# KiCad board lumberjack.kicad_pcb (continued)
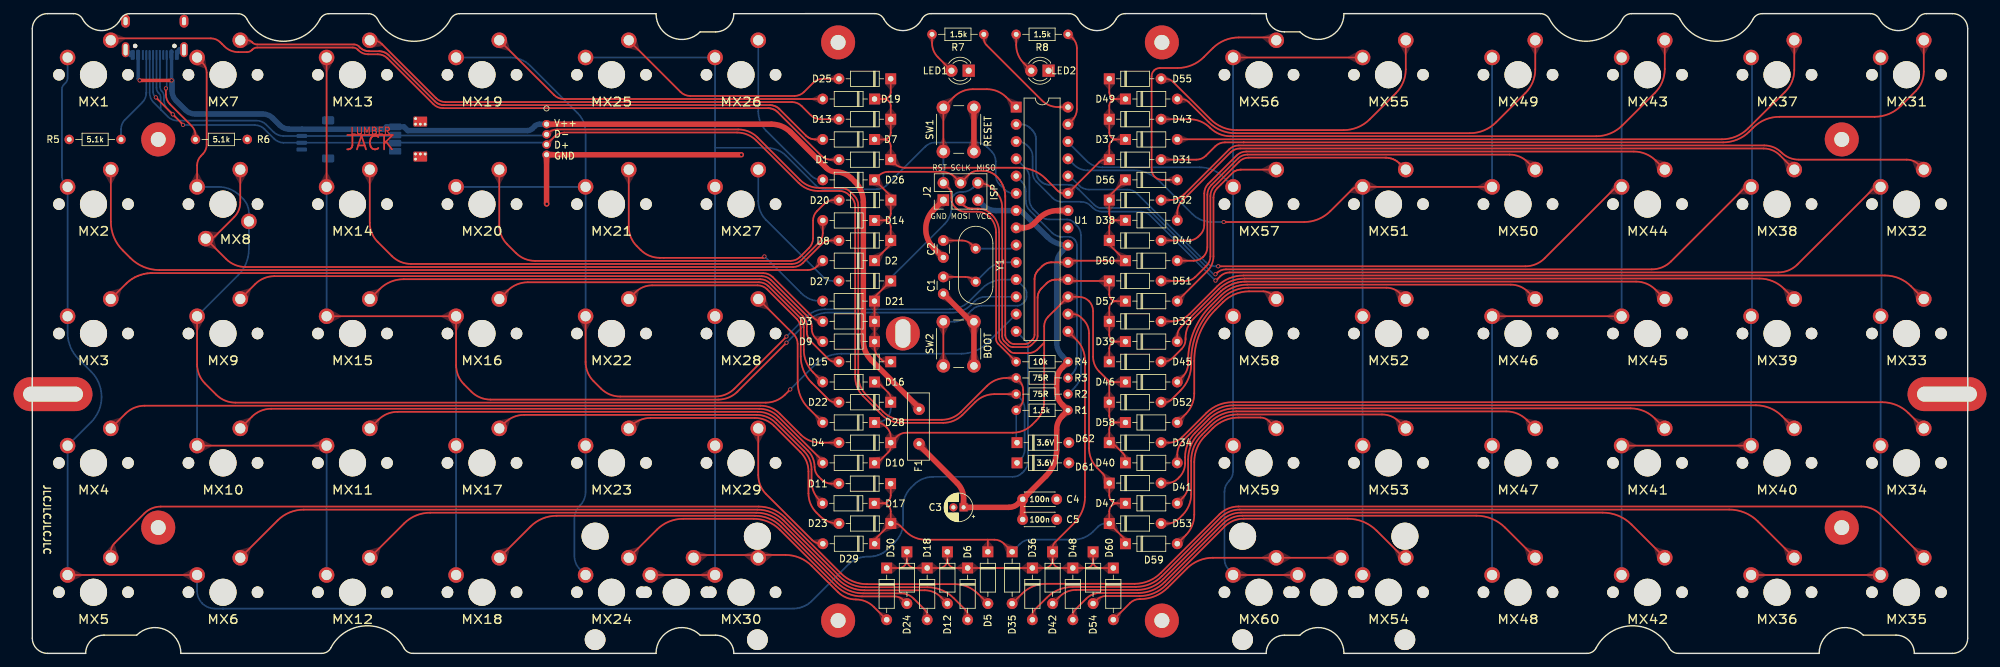
[diagram p0: board, top side]
## Routing (per net, layer and track width the routed paths; a pad name or vN(x,y) marks a point on that pad's centre or on a via; arc(x,y) is an arc through that point) (continued)
  Bottom w0.25: 100.44,74.44 MX27.2 MX28.2 100.44,31.14 ; 100.44,74.44 MX26.2 MX25.2 ; 100.44,74.44 108.05,74.44 arc(109.58,74.14) 110.88,73.27 115.22,68.93 arc(115.87,68.5) 116.64,68.35 124.25,68.35 arc(125.01,68.5) 125.66,68.93 131.37,74.63 arc(132.01,75.07) 132.78,75.22 138.97,75.22 arc(139.73,75.07) 140.38,74.63 141.13,73.89 arc(141.56,73.24) 141.71,72.47 141.71,70.45 arc(141.87,69.68) 142.3,69.03 143,68.33 arc(143.65,67.9) 144.42,67.74 U1.6 ; MX30.2 MX29.2
/COL5: length 236.7
  Top w0.25: MX32.2 271.08,68.7 259.66,57.27 arc(258.36,56.4) 256.83,56.1 176.15,56.1 arc(175.38,55.95) 174.73,55.51 174.12,54.9 v1(174.05,54.9) ; MX35.2 MX36.2
  Bottom w0.25: MX33.2 MX34.2 MX35.2 ; 271.89,69.5 MX31.2 ; v1(174.05,54.9) 164.49,64.46 arc(163.84,64.9) 163.07,65.05 157.39,65.05 arc(156.63,65.2) 155.98,65.64 155.7,65.91 arc(155.05,66.35) 154.29,66.5 151.48,66.5 arc(150.71,66.65) 150.06,67.09 147.74,69.41 arc(147.3,70.06) 147.15,70.83 147.15,73.17 arc(147,73.94) 146.56,74.59 146.37,74.78 arc(145.72,75.21) 144.96,75.36 ; 272.03,49.88 272.03,68.56
/COL6: length 220.1
  Top w0.25: MX38.2 252.03,68.7 241.06,57.72 arc(239.76,56.85) 238.23,56.55 175.59,56.55 arc(174.83,56.4) 174.18,55.96 v1(174.04,55.83) ; MX40.2 MX41.2
  Bottom w0.25: MX41.2 MX42.2 ; MX39.2 MX40.2 ; 252.98,68.93 252.98,87.61 ; 252.98,49.88 252.98,68.56 ; U1.2 145.42,77.9 145.55,77.9 145.81,77.87 146.06,77.8 146.3,77.7 146.53,77.57 146.74,77.41 146.83,77.32 147.06,77.09 147.16,76.99 147.31,76.78 147.45,76.56 147.55,76.32 147.61,76.06 147.65,75.8 147.65,75.67 147.65,71.03 147.65,70.9 147.69,70.64 147.75,70.38 147.85,70.14 147.99,69.92 148.14,69.71 148.24,69.61 148.26,69.59 148.36,69.49 148.57,69.34 148.79,69.2 149.03,69.1 149.29,69.04 149.55,69 149.68,69 152.42,69 152.55,69 152.81,68.96 153.07,68.9 153.31,68.8 153.53,68.66 153.67,68.56 153.67,68.55 153.8,68.45 153.91,68.34 153.91,68.34 153.92,68.33 156.16,66.09 156.26,65.99 156.47,65.84 156.69,65.7 156.93,65.6 163.98,65.6 173.76,55.83 v1(174.04,55.83)
/COL7: length 185.5
  Top w0.25: MX45.2 MX46.2 ; MX44.2 232.98,68.7 222.46,58.17 arc(221.16,57.3) 219.63,57 v1(174.45,57)
  Bottom w0.25: 152.6,70.28 154,68.89 arc(154.65,68.45) 155.41,68.3 161.09,68.3 arc(161.86,68.15) 162.51,67.71 172.64,57.59 arc(173.29,57.15) 174.05,57 v1(174.45,57) ; MX48.2 MX47.2 MX46.2 ; MX44.2 MX45.2 ; 233.79,69.5 MX43.2
/COL8: length 143.8
  Top w0.25: MX50.2 MX51.2 195.1,68.7 arc(194.56,68.59) 194.1,68.28 190.93,65.11 arc(189.17,63.94) 187.09,63.52 v1(175.25,63.52)
  Bottom w0.25: MX49.2 MX50.2 ; MX54.2 MX53.2 MX52.2 MX51.2 ; v1(175.25,63.52) 173.49,63.52 arc(171.96,63.83) 170.66,64.69 165.81,69.54 arc(164.05,70.72) 161.97,71.13 155.24,71.13 arc(154.14,71.35) 153.2,71.98 U1.25
/COL9: length 131.1
  Top w0.25: MX56.2 MX55.2 ; 176.72,11.55 2u_MX60.2
  Bottom w0.25: 152.35,75.27 155.07,72.55 arc(156.14,71.83) 157.41,71.58 171.72,71.58 arc(173.6,71.2) 175.2,70.14 MX57.2 ; MX56.2 MX57.2 ; MX57.2 MX58.2 MX59.2 176.64,26.86 arc(176.48,26.03) 176.01,25.33 arc(175.54,24.63) 175.37,23.8 175.37,13.86 arc(175.54,13.03) 176.01,12.33
/LED1: length 17.3
  Top w0.25: R7.1 139.97,90.56 arc(140.08,90.01) 140.39,89.55 148.48,81.45 arc(149.6,80.71) 150.92,80.44 U1.28
/LED2: length 14.1
  Top w0.25: U1.27 153.01,78.56 arc(153.49,79.28) 153.66,80.14 153.66,89.13 arc(153.51,89.9) 153.07,90.56 152.47,91.16
/RESET: length 56.1
  Top w0.25: J2.2 134.92,68.39 134.98,68.33 135.08,68.17 135.15,68 135.19,67.82 135.19,67.73 135.19,67.06 arc(135.34,66.3) 135.78,65.65 135.8,65.63 arc(136.44,65.2) 137.21,65.05 138.99,65.05 arc(139.98,64.85) 140.82,64.29 arc(141.52,63.23) 141.77,61.98 141.77,46.31 arc(141.85,45.93) 142.07,45.6 R4.2 ; U1.1 143.27,81.91 arc(141.97,82.77) 140.44,83.08 138.36,83.08 arc(136.83,82.77) 135.53,81.91 SW1.1 SW1.1
  Bottom w0.25: SW1.1 J2.2
/ROW0: length 67.8
  Top w0.25: D55.1 158.42,82.63 arc(158.72,81.93) 159.42,81.63 ; 159.42,75.68 D37.1 ; 159.42,75.68 arc(158.72,75.39) 158.42,74.68 D31.1 ; 159.42,75.68 arc(158.72,75.97) 158.42,76.68 D43.1 158.42,80.63 arc(158.72,81.34) 159.42,81.63 ; D1.1 126.28,74.68 arc(125.98,75.39) 125.28,75.68 ; U1.23 156.92,72.31 arc(157.35,72.6) 157.87,72.7 ; 125.28,81.63 D19.1 ; 125.28,81.63 arc(125.98,81.93) 126.28,82.63 D25.1 ; 125.28,81.63 arc(125.98,81.34) 126.28,80.63 D13.1 126.28,76.68 arc(125.98,75.97) 125.28,75.68 ; 159.42,81.63 D49.1 ; 125.28,75.68 D7.1 ; 151.79,67.74 arc(151.26,67.85) 150.82,68.14 149.04,69.92 arc(147.28,71.1) 145.2,71.51 128.31,71.51 arc(127.53,71.67) 126.87,72.11
/ROW1: length 101.5
  Top w0.25: 126.28,66.75 126.28,64.77 arc(125.98,64.07) 125.28,63.77 ; 125.28,63.77 123.9,63.77 ; 125.28,63.77 arc(125.98,63.48) 126.28,62.77 D8.1 ; D32.1 158.42,64.77 arc(158.72,64.07) 159.42,63.77 ; 123.9,57.85 126.28,60.23 ; 158.42,60.2 D50.1 152.59,57.82 ; D44.1 158.42,62.77 arc(158.72,63.48) 159.42,63.77 ; D26.1 126.28,67.35 ; D56.1 158.42,67.35 ; U1.19 149.94,57.58 149.81,57.58 149.55,57.55 149.3,57.48 149.06,57.38 148.83,57.25 148.62,57.09 148.53,57 148.02,56.49 147.92,56.39 147.77,56.19 147.63,55.96 147.53,55.72 147.47,55.46 147.43,55.2 147.43,55.07 147.43,46.92 arc(147.35,46.54) 147.14,46.21 146.77,45.85 arc(146.45,45.63) 146.07,45.56 144.44,45.56 arc(144.06,45.63) 143.73,45.85 143.42,46.16 arc(143.2,46.49) 143.12,46.87 143.12,67.22 143.12,67.43 143.08,67.84 143,68.25 142.88,68.64 142.72,69.03 142.52,69.39 142.29,69.74 142.03,70.06 141.88,70.21 141.77,70.32 141.51,70.53 141.23,70.7 140.94,70.84 140.63,70.95 140.31,71.03 139.98,71.06 139.82,71.06 139.16,71.06 139.03,71.06 138.77,71.03 138.51,70.96 138.27,70.86 138.04,70.73 137.84,70.57 137.74,70.48 J2.4 135.74,70.11 arc(134.84,70.71) 133.78,70.92 125.93,70.92 arc(125.15,70.76) 124.49,70.32 ; 159.42,63.77 D38.1
/ROW2: length 99.2
  Top w0.25: 159.42,51.87 D57.1 ; 159.42,51.87 arc(158.72,51.58) 158.42,50.87 D33.1 158.42,46.92 arc(158.72,46.21) 159.42,45.92 ; 159.42,51.87 arc(158.72,52.16) 158.42,52.87 D51.1 152.55,54.85 U1.18 150.58,55.04 150.45,55.04 150.19,55.01 149.93,54.94 149.69,54.84 149.46,54.71 149.26,54.55 149.16,54.46 148.47,53.76 148.37,53.67 148.22,53.46 148.08,53.23 147.98,52.99 147.92,52.74 147.88,52.48 147.88,52.35 147.88,46.73 arc(147.8,46.35) 147.59,46.03 146.96,45.4 arc(146.64,45.18) 146.25,45.11 144.25,45.11 arc(143.87,45.18) 143.54,45.4 142.97,45.98 arc(142.75,46.3) 142.67,46.68 142.67,65.68 arc(142.43,66.92) 141.72,67.97 141.33,68.37 arc(140.31,69.05) J2.6 ; D45.1 158.42,44.92 arc(158.72,45.62) 159.42,45.92 ; 123.9,51.87 D3.1 D9.1 123.9,45.09 arc(124.05,44.33) 124.48,43.69 124.86,43.31 arc(125.27,43.04) 125.75,42.94 ; 159.42,45.92 D39.1 ; 123.9,52.46 D27.1
  Bottom w0.25: J2.6 138.38,68.57 arc(137.7,68.12) 136.89,67.96 136.6,67.96 arc(136.07,67.85) 135.61,67.55 arc(135.31,67.1) 135.21,66.56 135.21,65.69 arc(134.94,64.34) 134.18,63.2 126.28,55.3
/ROW3: length 122.4
  Top w0.25: 159.42,34.01 D58.1 ; 159.42,34.01 arc(158.72,33.72) 158.42,33.01 D34.1 ; 159.42,34.01 arc(158.72,34.3) 158.42,35.01 D52.1 158.42,39.61 arc(158.35,39.99) 158.13,40.32 ; 160.21,39.96 158.95,39.96 arc(158.52,40.05) 158.16,40.29 158.13,40.32 ; 158.13,40.32 156.94,41.51 arc(156.27,42.5) 156.04,43.67 156.04,50.4 arc(155.88,51.21) 155.43,51.89 arc(154.75,52.34) 153.94,52.5 U1.17 149.44,49.59 arc(149,48.94) 148.85,48.17 148.85,37.11 arc(148.55,35.58) 147.68,34.28 147.07,33.67 arc(145.77,32.8) 144.24,32.5 128.57,32.5 arc(127.81,32.35) 127.16,31.91 D4.1 126.28,31.84 arc(126.12,32.61) 125.69,33.26 125.53,33.42 arc(124.88,33.86) 124.11,34.01 D28.1 ; 124.35,39.96 125.91,38.41 arc(126.18,38) 126.28,37.51 ; 136.56,66.39 136.86,66.09 136.96,65.99 137.17,65.84 137.39,65.7 137.63,65.6 137.89,65.54 138.15,65.5 138.28,65.5 139.09,65.5 arc(140.16,65.29) 141.06,64.69 141.16,64.58 arc(141.95,63.41) 142.22,62.02 142.22,46.5 arc(142.3,46.12) 142.52,45.79 143.8,44.51 arc(144.12,44.29) 144.5,44.22 146.5,44.22 arc(147.2,44.35) 147.82,44.71 148.85,45.74 ; 158.88,31.03 160.43,29.48 arc(160.71,29.07) 160.8,28.58 ; 124.35,28.06 125.91,29.61 arc(126.18,30.02) 126.28,30.51
  Bottom w0.25: D28.1 124.23,34.01 arc(125,34.16) 125.65,34.6 125.69,34.64 arc(126.12,35.29) 126.28,36.06 D22.1
/ROW4: length 86.4
  Top w0.25: 160.8,16.75 D53.1 158.42,20.91 arc(158.77,21.75) 159.61,22.1 ; D41.1 158.42,23.29 arc(158.77,22.45) 159.61,22.1 ; 125.09,22.1 123.9,22.1 ; 125.09,22.1 arc(125.93,21.75) 126.28,20.91 126.28,19.13 123.9,16.75 ; 125.09,22.1 arc(125.93,22.45) 126.28,23.29 126.28,25.08 ; U1.16 153.07,49.96 arc(153.73,49.83) 154.29,49.46 154.61,49.13 arc(155.23,48.21) 155.45,47.12 155.45,30.19 arc(155.76,28.64) 156.64,27.32 157.46,26.5 arc(157.73,26.09) 157.83,25.6 ; D35.1 142.94,16.16 arc(142.29,16.59) 141.52,16.75 140.55,16.75 ; 140.55,16.75 140.56,16.73 D5.1 ; 140.55,16.75 131.39,16.75 arc(129.84,17.05) 128.52,17.94 127.7,18.76 arc(127.29,19.03) 126.8,19.13 ; 159.61,22.1 D47.1
  Bottom w0.25: D35.1 145.34,16.16 arc(145.99,16.6) 146.76,16.75 153.16,16.75 153.17,16.75 arc(154.72,17.05) 156.04,17.94 156.81,18.71 arc(157.28,19.02) 157.83,19.13
/ROW5: length 79.2
  Top w0.25: 134.61,13.77 D12.1 ; 134.61,13.77 arc(134.96,12.93) 135.8,12.58 D6.1 D36.1 148.9,12.58 arc(149.74,12.93) 150.09,13.77 D42.1 150.09,13.75 arc(150.43,12.92) 151.26,12.58 D48.1 155.04,12.58 arc(155.75,12.87) 156.04,13.58 ; 134.61,13.77 arc(134.26,12.93) 133.42,12.58 D18.1 129.85,12.58 arc(129.01,12.93) 128.66,13.77 ; 156.03,14.94 D54.1 156.04,13.58 ; 156.04,13.58 arc(156.34,12.87) 157.04,12.58 D60.1 ; D30.1 127.47,12.58 arc(128.31,12.93) 128.66,13.77 ; 128.66,13.77 D24.1 ; U1.15 153.6,46.17 arc(154.53,44.79) 154.85,43.16 154.85,23.03 arc(154.44,20.94) 153.26,19.18 150.46,16.38 arc(150.19,15.97) 150.09,15.48
/USB_D+: length 41.2
  Bottom w0.25: R2.2 153.3,39.13 153.43,39.26 153.66,39.55 153.85,39.85 154.01,40.18 154.13,40.53 154.21,40.88 154.25,41.25 154.26,41.43 154.26,61.57 arc(154.1,62.33) 153.67,62.98 153.13,63.52 arc(152.71,63.8) 152.22,63.9 149.58,63.9 arc(148.81,64.05) 148.16,64.49 147.26,65.39 arc(146.83,66.03) 146.68,66.8 146.68,70.05 arc(146.53,70.81) 146.09,71.46 U1.4
/USB_D-: length 34.9
  Bottom w0.25: R3.2 153.01,41.21 153.11,41.32 153.29,41.55 153.43,41.8 153.54,42.07 153.62,42.36 153.66,42.65 153.66,42.79 153.66,60.17 arc(153.58,60.56) 153.37,60.88 153.2,61.05 arc(152.92,61.25) 152.59,61.34 151.44,61.34 arc(150.67,61.49) 150.02,61.93 146.74,65.21 arc(146.3,65.86) 146.15,66.63 146.15,68.04 arc(146,68.8) 145.56,69.45 U1.5
Net-(D1-A): length 114.4
  Top w0.25: D1.2 117.47,72.7 117.34,72.71 117.08,72.74 116.83,72.81 116.59,72.91 116.36,73.04 116.15,73.2 116.06,73.29 109.65,79.7 109.56,79.79 109.35,79.95 109.12,80.08 108.88,80.18 108.63,80.25 108.37,80.28 108.24,80.28 60.42,80.28 arc(59.66,80.44) 59.01,80.87 52.25,87.63 arc(51.6,88.06) 50.83,88.22 49.39,88.22 arc(48.63,88.37) 47.98,88.8 47.86,88.92 arc(47.54,89.14) 47.15,89.21 33.08,89.21 arc(32.7,89.14) 32.37,88.92 32.28,88.83 arc(31.96,88.62) 31.58,88.54 30.3,88.54 arc(29.2,88.76) 28.27,89.38 27.95,89.7 27.86,89.79 27.67,89.98 arc(27.02,90.41) 26.26,90.56 11.82,90.56 MX1.1
Net-(D2-A): length 116.8
  Top w0.25: D2.2 115.49,57.04 arc(114.84,56.6) 114.07,56.45 18.69,56.45 arc(16.39,56.91) 14.44,58.21 13.31,59.34 arc(12.01,61.29) 11.55,63.59 11.55,71.23 MX2.1
Net-(D3-A): length 108.8
  Top w0.25: MX3.1 13.76,54.41 13.93,54.57 14.29,54.88 14.68,55.15 15.09,55.39 15.52,55.59 15.97,55.75 16.43,55.87 16.9,55.96 17.37,56 17.61,56 107.5,56 arc(108.26,55.85) 108.91,55.41 114.85,49.48 arc(115.5,49.04) 116.26,48.89
Net-(D4-A): length 110.2
  Top w0.25: D4.2 115.87,31.03 arc(114.34,31.34) 113.05,32.2 109.95,35.3 arc(108.65,36.17) 107.12,36.47 16.54,36.47 arc(15,36.17) 13.71,35.3 MX4.1
Net-(D5-A): length 137.3
  Top w0.25: D5.2 139.14,8.77 arc(137.55,9.83) 135.69,10.2 122.78,10.2 arc(120.7,10.61) 118.94,11.79 110.7,20.03 arc(108.93,21.21) 106.85,21.62 18.9,21.62 arc(17.59,21.36) 16.48,20.62 12.1,16.24 arc(11.69,15.62) 11.54,14.88
Net-(D6-A): length 115.8
  Top w0.25: MX6.1 36.08,19.58 arc(37.85,20.76) 39.93,21.17 106.66,21.17 arc(108.75,20.76) 110.51,19.58 118.75,11.34 arc(120.51,10.16) 122.6,9.75 131.68,9.75 arc(133.76,9.33) 135.52,8.15 137.19,6.49 arc(137.48,6.05) 137.59,5.52
Net-(D7-A): length 91.2
  Top w0.25: 31.5,90.32 31.46,90.29 ; MX7.1 31.62,90.29 arc(32,90.21) 32.33,89.99 32.36,89.96 arc(32.69,89.74) 33.07,89.66 47.34,89.66 arc(47.72,89.59) 48.05,89.37 48.17,89.25 48.26,89.16 48.47,89 48.69,88.87 48.94,88.77 49.19,88.7 49.45,88.67 49.58,88.67 51.02,88.67 51.15,88.67 51.41,88.63 51.66,88.56 51.9,88.46 52.13,88.33 52.34,88.17 52.43,88.08 59.19,81.32 59.29,81.23 59.5,81.07 59.72,80.94 59.96,80.84 60.22,80.77 60.48,80.74 60.61,80.73 108.49,80.73 108.62,80.73 108.88,80.7 109.13,80.63 109.37,80.53 109.6,80.4 109.81,80.24 109.9,80.15 113.78,76.27 113.88,76.18 114.08,76.02 114.31,75.89 114.55,75.79 114.81,75.72 115.07,75.68 115.2,75.68 D7.2
Net-(D8-A): length 108.3
  Top w0.25: D8.2 117.48,60.8 arc(116.71,60.65) 116.06,60.21 113.34,57.49 arc(112.69,57.05) 111.92,56.9 31.34,56.9 arc(29.81,57.2) 28.51,58.07 MX8.1 ; MX8.1 30.59,66.42 arc(30.35,65.24) 29.68,64.23 26.89,61.44 arc(26.49,61.17) 26.02,61.08
Net-(D9-A): length 91.3
  Top w0.25: MX9.1 32.78,54.38 arc(34.08,55.25) 35.61,55.55 107.27,55.55 arc(108.04,55.4) 108.69,54.96 114.06,49.59 arc(114.5,48.94) 114.65,48.17 114.65,47.83 arc(114.8,47.06) 115.24,46.41 115.73,45.92
Net-(D10-A): length 90
  Top w0.25: D10.2 116.28,28.32 109.75,34.85 arc(108.45,35.72) 106.92,36.03 35.14,36.03 arc(33.61,35.72) 32.31,34.85 MX10.1
Net-(D11-A): length 75
  Top w0.25: D11.2 117.53,25 arc(116.76,25.15) 116.11,25.59 115.66,26.04 arc(115.23,26.69) 115.08,27.45 arc(114.81,28.77) 114.07,29.88 109.55,34.4 arc(108.25,35.27) 106.72,35.58 53.74,35.58 arc(52.21,35.27) 50.91,34.4 MX11.1
Net-(D12-A): length 92.4
  Top w0.25: MX12.1 54.68,19.13 arc(56.45,20.31) 58.53,20.72 106.48,20.72 arc(108.56,20.31) 110.32,19.13 118.56,10.89 arc(120.33,9.71) 122.41,9.3 131.27,9.3 arc(132.55,9.04) 133.63,8.32 D12.2
Net-(D13-A): length 73.5
  Top w0.25: MX13.1 50.04,90.29 arc(50.8,90.13) 51.45,89.7 59.38,81.77 arc(60.03,81.34) 60.79,81.18 111.75,81.18 arc(112.52,81.03) 113.17,80.6 114.52,79.24 arc(115.17,78.81) 115.94,78.66 D13.2
Net-(D14-A): length 81.6
  Top w0.25: MX14.1 49.64,63.42 arc(49.94,61.89) 50.81,60.59 52.88,58.52 arc(54.18,57.65) 55.71,57.35 111.74,57.35 arc(112.5,57.5) 113.15,57.94 115.69,60.48 arc(116.13,61.13) 116.28,61.89 D14.2
Net-(D15-A): length 75.6
  Top w0.25: MX15.1 51.1,53.64 arc(52.71,54.72) 54.61,55.1 107.07,55.1 arc(107.83,54.95) 108.48,54.51 113.35,49.65 arc(113.78,49) 113.93,48.23 113.93,47.36 arc(114.09,46.59) 114.52,45.94 117.13,43.34 arc(117.57,43.04) 118.09,42.94
Net-(D16-A): length 57.7
  Top w0.25: MX16.1 69.92,53.42 arc(71.29,54.33) 72.9,54.65 106.88,54.65 arc(107.65,54.5) 108.29,54.06 112.9,49.46 arc(113.33,48.81) 113.48,48.05 113.48,44.73 arc(113.85,42.9) 114.88,41.36 D16.2
Net-(D17-A): length 56
  Top w0.25: D17.2 115.8,22.54 arc(114.93,23.84) 114.62,25.37 114.62,27.12 arc(114.34,28.56) 113.53,29.77 109.35,33.95 arc(108.05,34.82) 106.52,35.12 72.34,35.12 arc(70.81,34.82) 69.51,33.95 MX17.1
Net-(D18-A): length 71.1
  Top w0.25: MX18.1 73.28,18.68 arc(75.05,19.86) 77.13,20.27 106.29,20.27 arc(108.37,19.86) 110.14,18.68 118.38,10.44 arc(120.14,9.26) 122.22,8.85 127.79,8.85 arc(128.79,8.65) 129.65,8.08 131.23,6.49 arc(131.53,6.05) 131.63,5.52
Net-(D19-A): length 51.1
  Top w0.25: MX19.1 76.76,82.22 arc(77.41,81.79) 78.17,81.63 D19.2
Net-(D20-A): length 66.8
  Top w0.25: MX20.1 68.69,63.07 arc(68.99,61.54) 69.86,60.24 71.13,58.97 arc(72.43,58.1) 73.96,57.8 111.52,57.8 arc(112.29,57.95) 112.94,58.39 114.26,59.71 arc(114.7,60.36) 114.85,61.13 114.85,63.72 arc(115,64.49) 115.44,65.14 116.46,66.16 arc(117.11,66.6) 117.88,66.75 D20.2
Net-(D21-A): length 42.1
  Top w0.25: MX21.1 87.74,62.82 arc(88.04,61.29) 88.91,59.99 89.48,59.42 arc(90.78,58.55) 92.31,58.25 107.5,58.25 v1(107.7,58.45)
  Bottom w0.25: D21.2 115.93,51.88 arc(114.4,52.18) 113.1,53.05 v1(107.7,58.45)
Net-(D22-A): length 41.9
  Top w0.25: MX22.1 88.75,53.19 arc(89.86,53.94) 91.18,54.2 106.68,54.2 arc(107.45,54.05) 108.1,53.61 112.45,49.26 arc(112.88,48.61) 113.03,47.85 113.03,43.73 arc(113.45,41.65) 114.63,39.88 117.13,37.39 arc(117.57,37.09) 118.09,36.99
Net-(D23-A): length 41
  Top w0.25: MX23.1 88.11,33.5 arc(89.41,34.37) 90.94,34.67 106.29,34.67 arc(107.82,34.37) 109.12,33.5 113,29.62 arc(113.87,28.32) 114.17,26.79 114.17,23.56 arc(114.48,22.03) 115.35,20.73 115.78,20.3 arc(117.08,19.43) 118.61,19.12 D23.2
Net-(D24-A): length 47.7
  Top w0.25: MX24.1 91.88,18.23 arc(93.65,19.41) 95.73,19.82 106.1,19.82 arc(108.19,19.41) 109.95,18.23 118.19,9.99 arc(119.96,8.81) 122.04,8.4 126.85,8.4 arc(127.54,8.26) 128.13,7.87 D24.2
Net-(D25-A): length 35.1
  Top w0.25: D25.2 116.29,84.61 arc(115.52,84.46) 114.88,84.03 113.52,82.67 arc(112.87,82.24) 112.11,82.08 96.77,82.08 arc(96.01,82.24) 95.36,82.67 MX25.1
Net-(D26-A): length 24.9
  Bottom w0.25: D26.2 116.02,69.73 arc(115.25,69.88) 114.6,70.31 107.96,76.95 arc(107.09,78.25) 106.79,79.78 MX26.1
Net-(D27-A): length 22.1
  Bottom w0.25: D27.2 117.73,54.85 arc(116.97,55) 116.32,55.43 107.96,63.79 arc(107.09,65.09) 106.79,66.62 MX27.1
Net-(D28-A): length 21.8
  Top w0.25: D28.2 114.18,36.11 arc(113,37.87) 112.58,39.95 112.58,45.57 arc(112.43,46.34) 112,46.99 106.8,52.19
Net-(D29-A): length 21.3
  Top w0.25: D29.2 116.08,16.15 arc(115.31,16.3) 114.66,16.74 107.96,23.44 arc(107.09,24.74) 106.79,26.27 MX29.1
Net-(D30-A): length 30.6
  Top w0.25: D30.2 123.79,6.85 arc(122.57,7.66) 121.14,7.95 arc(119.71,8.23) 118.5,9.04 114.64,12.91 arc(112.87,14.09) 110.79,14.5 107.2,14.5 ; 97.67,14.49 106.39,14.49
Net-(D31-A): length 122.1
  Top w0.25: MX31.1 278.24,85.66 arc(277.93,84.12) 277.06,82.81 274.86,80.61 arc(273.09,79.43) 271.01,79.02 257,79.02 arc(254.92,78.6) 253.15,77.42 252.58,76.84 arc(250.81,75.66) 248.73,75.25 178.2,75.25 175.43,75.25 arc(174.66,75.1) 174.01,74.66 172.64,73.29 arc(171.99,72.86) 171.23,72.7 D31.2
Net-(D32-A): length 116.4
  Top w0.25: MX32.1 277.51,71.97 arc(276.69,72.51) 275.73,72.7 259.84,72.7 arc(258.47,72.98) 257.31,73.75 arc(256.15,74.53) 254.78,74.8 177.48,74.8 arc(176.71,74.65) 176.06,74.21 169.51,67.66 arc(168.5,66.99) 167.32,66.75 D32.2
Net-(D33-A): length 115.8
  Top w0.25: MX33.1 276.37,54.06 arc(274.6,55.24) 272.52,55.65 178.15,55.65 arc(176.07,55.24) 174.31,54.06 170.24,49.99 arc(169.02,49.18) 167.59,48.89 D33.2
Net-(D34-A): length 115.7
  Top w0.25: MX34.1 275.98,35.39 arc(274.22,36.57) 272.14,36.99 176.55,36.99 arc(174.46,36.57) 172.7,35.39 169.15,31.84 arc(168.25,31.24) 167.19,31.03 D34.2
Net-(D35-A): length 142.4
  Top w0.25: D35.2 145.59,8.79 arc(147.2,9.87) 149.11,10.25 162.15,10.25 arc(164.23,10.66) 166,11.84 174.62,20.46 arc(175.91,21.33) 177.44,21.63 269.04,21.63 arc(270.57,21.33) 271.86,20.46 MX35.1
Net-(D36-A): length 120.9
  Top w0.25: MX36.1 253.85,19.43 arc(251.9,20.73) 249.61,21.18 177.63,21.18 arc(176.1,20.88) 174.8,20.01 166.18,11.39 arc(164.42,10.21) 162.34,9.8 153.08,9.8 arc(150.99,9.39) 149.23,8.21 147.51,6.49 arc(147.22,6.05) 147.11,5.52
Net-(D37-A): length 100
  Top w0.25: 168.44,75.7 248.54,75.7 arc(250.62,76.11) 252.39,77.29 256.48,81.39 arc(256.5,81.4) 256.53,81.41 arc(256.55,81.41) 256.58,81.43 257.87,82.72 arc(258.85,84.18) 259.19,85.9 MX37.1
Net-(D38-A): length 97.4
  Top w0.25: MX38.1 257.07,73.36 arc(255.97,74.09) 254.67,74.35 177.66,74.35 arc(176.9,74.2) 176.25,73.76 169.19,66.7 arc(168.62,65.86) 168.42,64.86 D38.2
Net-(D39-A): length 96.3
  Top w0.25: D39.2 168.42,46.73 arc(168.57,47.48) 169,48.11 174.49,53.61 arc(176.26,54.79) 178.34,55.2 254.05,55.2 arc(256.01,54.81) 257.68,53.69 MX39.1
Net-(D40-A): length 96.5
  Top w0.25: MX40.1 257.38,34.94 arc(255.62,36.12) 253.54,36.54 176.73,36.54 arc(174.65,36.12) 172.88,34.94 169.28,31.34 arc(168.65,30.39) 168.42,29.27 D40.2
Net-(D41-A): length 81.4
  Top w0.25: MX41.1 238.67,34.61 arc(237.03,35.7) 235.1,36.09 176.92,36.09 arc(174.84,35.67) 173.07,34.49 171.06,32.48 arc(169.96,30.84) 169.58,28.9 169.58,28.01 arc(169.35,26.89) 168.72,25.94 168.5,25.72 arc(167.79,25.25) 166.95,25.08 D41.2
Net-(D42-A): length 97.5
  Top w0.25: D42.2 151.09,8.34 arc(152.21,9.09) 153.52,9.35 162.52,9.35 arc(164.61,9.76) 166.37,10.94 174.99,19.56 arc(176.29,20.43) 177.82,20.73 231.01,20.73 arc(233.3,20.28) 235.25,18.98 MX42.1
Net-(D43-A): length 83.9
  Top w0.25: D43.2 170.22,78.66 arc(171.86,78.33) 173.25,77.4 arc(174.63,76.48) 176.27,76.15 230.05,76.15 arc(232.13,76.56) 233.89,77.74 238.68,82.53 arc(239.76,84.15) 240.14,86.05 MX43.1
Net-(D44-A): length 83.8
  Top w0.25: D44.2 170.12,60.8 arc(170.89,60.95) 171.53,61.38 171.81,61.66 arc(172.25,62.31) 172.4,63.08 172.4,67.73 arc(172.55,68.5) 172.99,69.14 177.16,73.31 arc(177.8,73.75) 178.57,73.9 235.59,73.9 arc(237.33,73.55) 238.81,72.57 MX44.1
Net-(D45-A): length 80.6
  Top w0.25: MX45.1 238.75,53.58 arc(237.45,54.45) 235.92,54.75 178.53,54.75 178.29,54.75 177.82,54.71 177.35,54.62 176.89,54.5 176.44,54.34 176.01,54.14 175.6,53.9 175.21,53.63 174.85,53.32 174.85,53.32 170.84,49.31 arc(169.95,47.99) 169.64,46.43 169.64,46.23 arc(169.49,45.47) 169.06,44.82 167.76,43.52 arc(167.11,43.09) 166.35,42.94
Net-(D46-A): length 62.2
  Top w0.25: D46.2 169.22,40.76 arc(169.82,41.65) 170.03,42.69 170.03,43.14 arc(170.89,47.51) 173.37,51.21 174.87,52.71 arc(176.63,53.89) 178.71,54.3 217.48,54.3 arc(218.86,54.03) 220.03,53.24 MX46.1
Net-(D47-A): length 62.7
  Top w0.25: D47.2 169.22,22.9 arc(169.82,23.79) 170.03,24.83 170.03,28.56 arc(170.44,30.64) 171.62,32.4 173.26,34.04 arc(175.02,35.22) 177.1,35.64 216.82,35.64 arc(218.46,35.31) 219.84,34.39 MX47.1
Net-(D48-A): length 76.2
  Top w0.25: MX48.1 216.65,18.53 arc(214.7,19.83) 212.41,20.28 178,20.28 arc(176.47,19.98) 175.18,19.11 166.56,10.49 arc(164.79,9.31) 162.71,8.9 157.05,8.9 arc(155.97,8.68) 155.05,8.07 153.47,6.49 arc(153.17,6.05) 153.07,5.52
Net-(D49-A): length 62.8
  Top w0.25: MX49.1 221.09,86.01 arc(220.72,84.12) 219.65,82.53 215.32,78.19 arc(213.55,77.01) 211.47,76.6 176.94,76.6 arc(174.86,77.01) 173.09,78.19 170.09,81.2 arc(169.61,81.52) 169.04,81.63
Net-(D50-A): length 65
  Top w0.25: D50.2 170.84,57.82 arc(171.61,57.97) 172.26,58.41 172.26,58.41 arc(172.7,59.06) 172.85,59.83 172.85,67.54 arc(173,68.31) 173.44,68.96 177.34,72.86 arc(177.99,73.3) 178.76,73.45 217.31,73.45 arc(218.76,73.16) 219.98,72.34 MX50.1
Net-(D51-A): length 49.9
  Top w0.25: D51.2 169.67,54.85 arc(170.43,55) 171.08,55.43 172.71,57.06 arc(173.15,57.71) 173.3,58.48 173.3,67.36 arc(173.45,68.12) 173.89,68.77 177.53,72.41 arc(178.18,72.85) 178.94,73 199.03,73 199.2,73 199.53,72.96 199.86,72.88 200.18,72.77 200.49,72.63 200.77,72.45 201.04,72.24 201.16,72.12 MX51.1
Net-(D52-A): length 46.3
  Top w0.25: MX52.1 201.21,53.02 arc(200.29,53.63) 199.2,53.85 178.9,53.85 arc(176.82,53.44) 175.05,52.26 173.71,50.91 arc(171.31,47.33) 170.48,43.11 170.48,42.54 arc(170.06,40.46) 168.88,38.69 167.57,37.39 arc(167.13,37.09) 166.61,36.99
Net-(D53-A): length 47.8
  Top w0.25: D53.2 167,19.13 arc(167.88,19.3) 168.62,19.8 169.21,20.39 arc(170.15,21.79) 170.48,23.44 170.48,28.37 arc(170.89,30.45) 172.07,32.22 173.44,33.59 arc(175.21,34.77) 177.29,35.19 198.54,35.19 arc(199.88,34.92) 201.02,34.16 MX53.1
Net-(D54-A): length 52.8
  Top w0.25: MX54.1 201.74,14.09 197.75,18.08 arc(195.8,19.38) 193.51,19.83 178.19,19.83 arc(176.66,19.53) 175.36,18.66 166.74,10.04 arc(164.98,8.86) 162.9,8.45 157.94,8.45 arc(157.21,8.31) 156.6,7.89 D54.2
Net-(D55-A): length 46.9
  Top w0.25: MX55.1 202.04,86.01 arc(201.66,84.11) 200.58,82.49 196.74,78.64 arc(194.97,77.46) 192.89,77.05 177.17,77.05 arc(175.09,77.46) 173.32,78.64 167.82,84.15 arc(167.3,84.49) 166.7,84.61
Net-(D56-A): length 38.4
  Top w0.25: 182.58,90.7 177.48,90.7 arc(175.4,90.29) 173.63,89.11 172.32,87.79 arc(170.56,86.61) 168.47,86.2 165.88,86.2 arc(165.41,86.11) 165.01,85.84 arc(164.74,85.44) 164.65,84.97 164.65,71.29 arc(164.77,70.69) 165.11,70.19 arc(165.62,69.85) 166.22,69.73 D56.2
Net-(D57-A): length 28.6
  Top w0.25: 174.86,69.06 176.7,70.9 176.93,71.03 177.17,71.13 177.42,71.2 177.68,71.23 177.81,71.24 MX57.1 ; D57.2 172.83,56.28 arc(173.51,57.29) 173.75,58.49 173.75,67.12 arc(173.9,67.89) 174.34,68.54 174.85,69.05
Net-(D58-A): length 27.7
  Top w0.25: D58.2 169.67,35.26 arc(170.6,36.64) 170.93,38.28 170.93,43.07 arc(171.74,47.16) 174.05,50.62 175.15,51.72 arc(176.91,52.9) 179,53.31 181.07,53.31 arc(181.8,53.16) 182.43,52.75
Net-(D59-A): length 28.3
  Top w0.25: 182.43,33.7 181.91,34.22 arc(181.33,34.6) 180.66,34.74 177.48,34.74 arc(175.4,34.32) 173.63,33.14 172.52,32.03 arc(171.34,30.27) 170.93,28.18 170.93,20.42 arc(170.6,18.78) 169.67,17.4 D59.2
Net-(D60-A): length 35.6
  Top w0.25: MX60.1 173.68,14.09 arc(171.59,13.67) 169.83,12.49 167.01,9.67 arc(165.16,8.44) 162.97,8 162.89,8 arc(162.12,7.85) 161.48,7.41 D60.2 ; 183.57,14.09 191.94,14.09
Net-(D61-K): length 191.1
  Top w0.25: R2.1 141.53,38.18 arc(140,37.87) 138.7,37 136.82,35.12 arc(135.52,34.25) 133.99,33.95 127.81,33.95 arc(126.28,34.25) 124.98,35.12 122.22,37.88 arc(121.35,39.18) 121.05,40.71 121.05,65.77 arc(120.9,66.54) 120.46,67.19 120.14,67.51 arc(119.49,67.95) 118.72,68.1 115.57,68.1 arc(114.04,68.4) 112.74,69.27 106.49,75.53 arc(105.19,76.4) 103.66,76.7 78.25,76.7 arc(77.48,76.55) 76.84,76.11 J4.2 ; v1(22.17,77.83) 22.17,77.87 v1(20.67,79.37) v1(18.17,81.87)
  Bottom w0.25: v1(22.17,77.83) 22.19,77.8 32.72,77.8 arc(33.49,77.65) 34.14,77.21 35.58,75.78 arc(36.22,75.34) 36.99,75.19 J3.3 53.32,75.19 53.38,75.14 53.45,75.21 75.36,75.21 J4.2 ; J1.A6 17.76,82.69 arc(17.84,82.31) 18.06,81.98 v1(18.17,81.87) ; v1(20.67,79.37) 19.94,80.1 arc(19.51,80.74) 19.36,81.51 19.36,82.06 arc(19.28,82.44) 19.07,82.76 19,82.83 arc(18.84,83.12) 18.78,83.46 18.78,88.66 J1.B6 ; 144.93,37.98 145.35,37.55 arc(145.81,36.87) 145.98,36.05 145.98,29.98 arc(145.83,29.24) 145.41,28.62
Net-(D62-K): length 190.8
  Top w0.25: J4.3 75.79,76.56 arc(76.43,77) 77.2,77.15 103.84,77.15 arc(105.37,76.85) 106.67,75.98 112.93,69.72 arc(114.23,68.85) 115.76,68.55 118.92,68.55 arc(119.69,68.4) 120.34,67.96 120.91,67.39 arc(121.35,66.74) 121.5,65.97 121.5,40.91 arc(121.8,39.38) 122.67,38.08 125.18,35.57 arc(126.48,34.7) 128.01,34.4 133.79,34.4 arc(135.32,34.7) 136.62,35.57 140.44,39.39 arc(141.73,40.25) 143.26,40.56 R3.1 145.24,40.05 arc(145.62,39.48) 145.76,38.81 145.76,37.55 arc(145.62,36.88) 145.24,36.31 R1.1
  Bottom w0.25: 18.92,80.05 18.88,80.09 18.88,81.82 arc(18.81,82.2) 18.59,82.52 18.56,82.55 arc(18.34,82.88) 18.27,83.26 J1.A7 ; J4.3 75.48,76.26 53.45,76.26 53.38,76.33 53.23,76.19 J3.2 36.91,76.19 arc(36.14,76.34) 35.49,76.78 34.4,77.86 arc(33.76,78.3) 32.99,78.45 21.35,78.45 arc(20.58,78.6) 19.93,79.04 17.85,81.12 arc(17.42,81.76) 17.27,82.53 J1.B7 ; R1.1 144.73,31.15
Net-(J1-CC1): length 14.4
  Bottom w0.25: R5.2 13.05,77.17 arc(13.2,77.93) 13.63,78.58 16.18,81.13 arc(16.61,81.78) 16.77,82.54 J1.A5
Net-(J1-CC2): length 14.7
  Top w0.25: R6.2 24,76.28 arc(23.85,77.05) 23.42,77.7 20.24,80.88 arc(19.8,81.53) 19.65,82.29 v1(19.65,83.2)
  Bottom w0.25: J1.B5 19.77,83.32 v1(19.65,83.2)
Net-(J3-Pin_1): length 159.8
  Top w0.5: v1(20.49,84.37) v1(15.79,84.37)
  Top w0.8: F1.1 130.44,36.16 123.42,43.18 arc(122.55,44.48) 122.25,46.01 122.25,66.46 arc(121.93,68.07) 121.02,69.43 120.48,69.97 arc(119.45,70.66) 118.23,70.9 arc(117.46,71.05) 116.81,71.49 111.55,76.75 arc(110.25,77.62) 108.72,77.93 J4.4
  Bottom w0.5: J1.A4 15.57,84.59 v1(15.79,84.37) ; 20.47,87.66 J1.B4 20.49,88.64 v1(20.49,84.37)
  Bottom w0.8: v1(20.49,84.37) 20.55,84.32 20.55,82.82 arc(20.7,82.05) 21.13,81.41 22.53,80.01 arc(23.18,79.58) 23.94,79.42 33.92,79.42 arc(34.69,79.27) 35.34,78.84 36.4,77.78 arc(37.05,77.34) 37.82,77.19 J3.1 51.75,77.19 52.1,77.53 54.68,77.53 55.23,76.98 72.85,76.98 arc(73.23,77.06) 73.55,77.28 73.91,77.63 arc(74.24,77.85) 74.62,77.93 J4.4
